# Altium PCB PowerBoard.PcbDoc
Units mm, origin at the board's own origin, x right, y up, seen from the top; angles counter-clockwise.
Board outline 138.43 x 63.5 mm, 2 copper layers (Top Layer, Bottom Layer); 23 components, 36 nets, 121 pads, 14 vias.
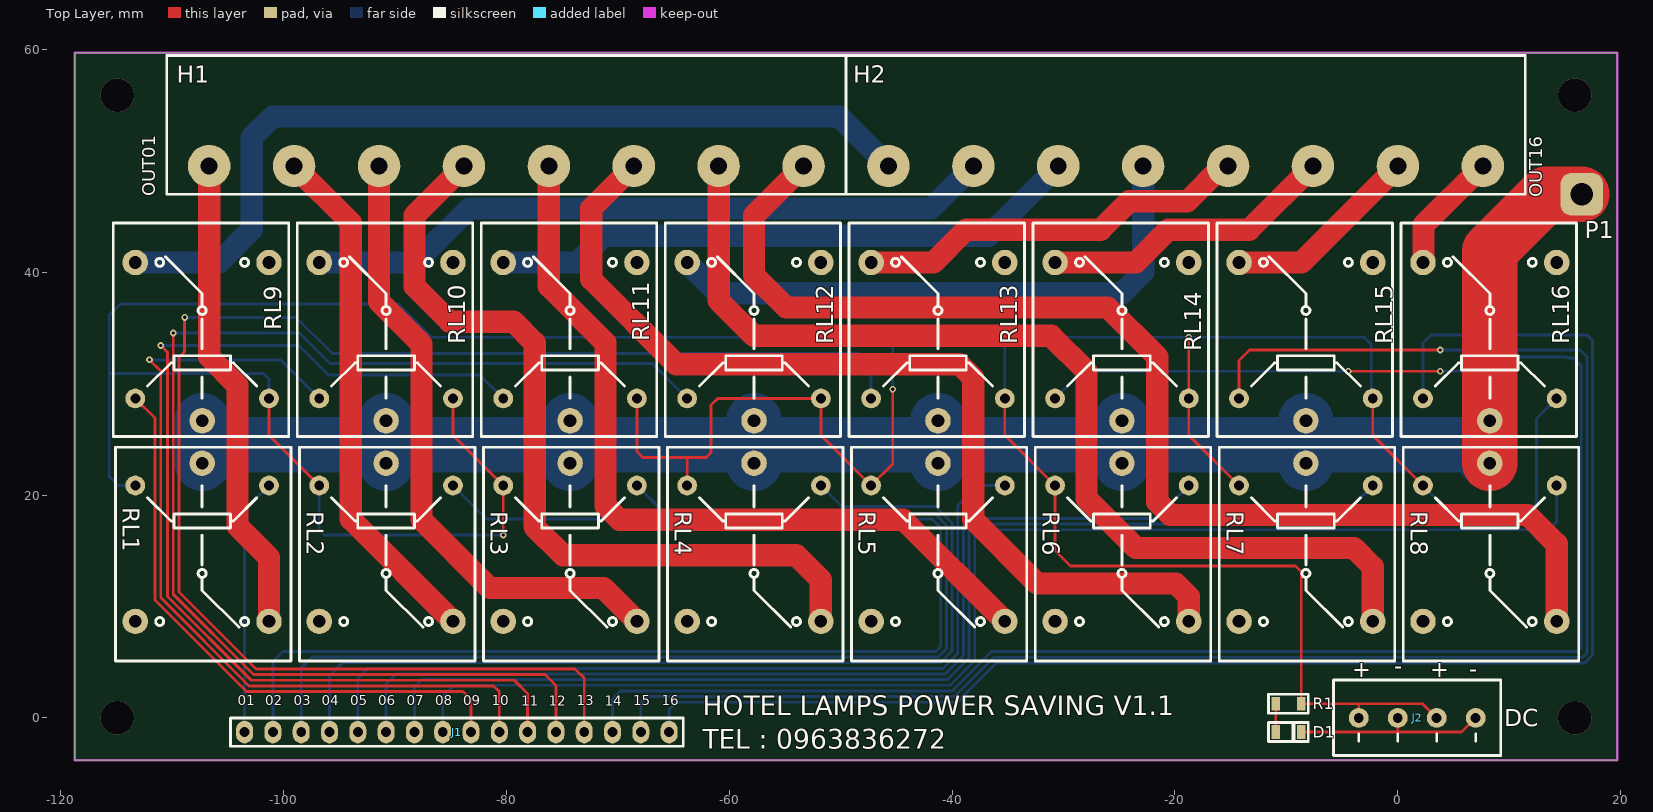
[diagram p0: Top Layer view]
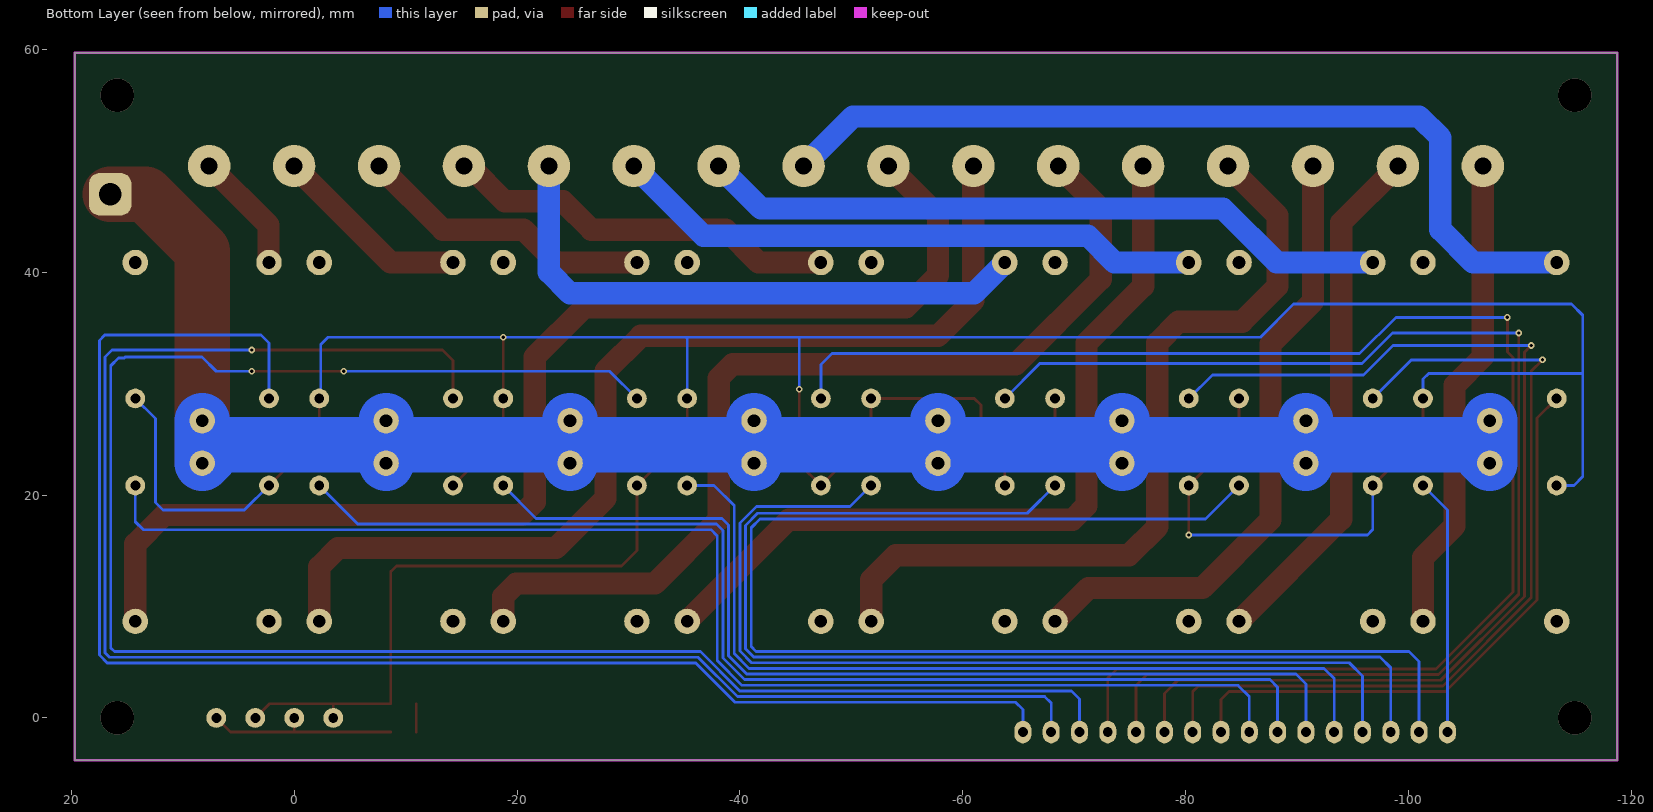
[diagram p1: Bottom Layer view, seen from below]
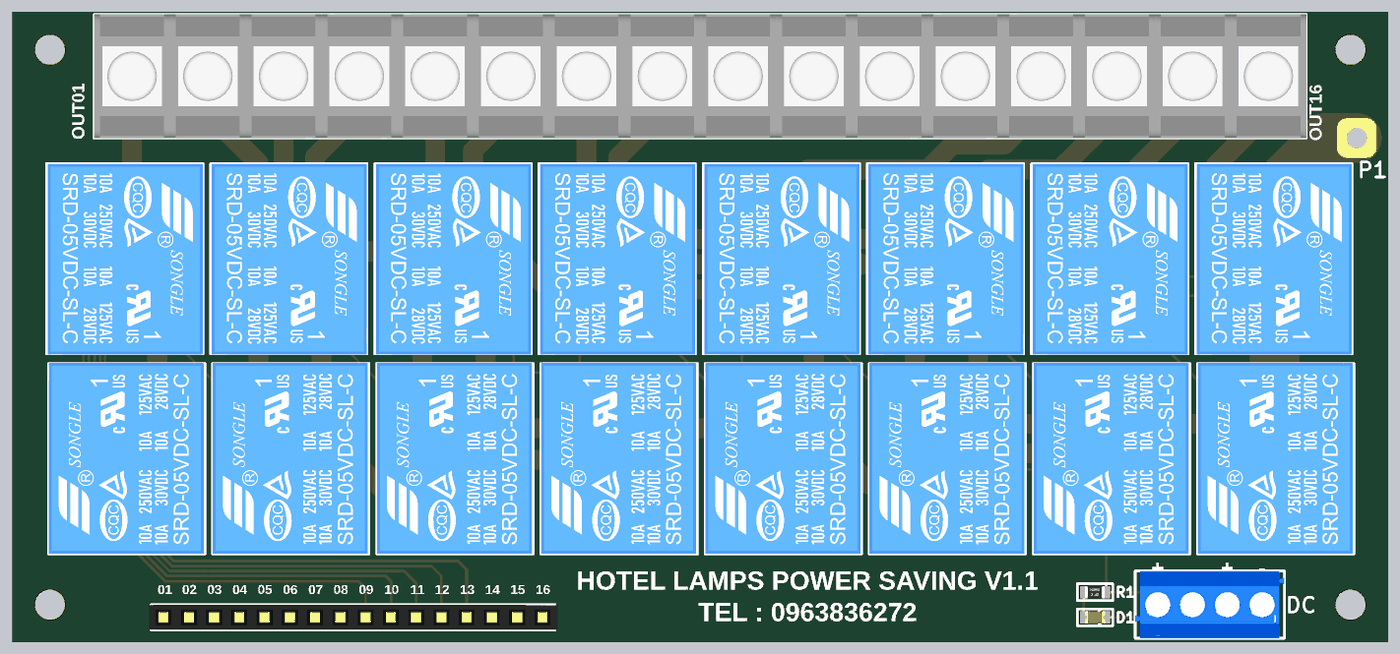
[diagram p2: 3D render of the assembled board from above, using the file's embedded part models]

## Layer stack, top to bottom
Top Solder: solder mask 0.0102, Solder Resist, Dk 3.5
Top Layer: signal copper 0.0356
Dielectric 1: dielectric 0.32, FR-4, Dk 4.8
Bottom Layer: signal copper 0.0356
Bottom Solder: solder mask 0.0102, Solder Resist, Dk 3.5

## Board outline
-118.73,-3.81 -118.73,59.69 19.7,59.69 19.7,-3.81

## Design rules (kind name [scope] priority, off if disabled: settings)
Clearance [All] p1: gap=0.254 ignorepadtopadclearanceinfootprint=FALSE except(0: Arc-Hole Track-Hole SMDPad-Hole THPad-Hole Via-Hole Fill-Hole Poly-Hole Region-Hole Text-Hole)
PolygonConnect [All] p1: connectstyle=Relief reliefconductorwidth=0.254 reliefentries=4 polygonreliefangle="90 Angle" airgapwidth=0.254
RoutingVias [All] p1: holewidth=0.3 width=0.6 viastyle="Through Hole" minholewidth=0.3 minwidth=0.6 maxholewidth=0.3 maxwidth=0.6
SolderMaskExpansion [All] p1: expansion=0.102 istentingtop=FALSE
Width [All] p1: maxlimit=5 minlimit=0.254 preferedwidth=1.27
30 further rules are at their usual default settings.

## Components (designator, comment, footprint, x,y, rotation, side; value= is the part's Value field where it differs from the comment)
D1 "LED0805" L0805RED -9.807,-1.27 r0 top
H1 "TB" "TERMINAL-BLOCK-7.62MM -08PIN" -79.995,49.53 r180 top
H2 "TB" "TERMINAL-BLOCK-7.62MM -08PIN" -19.035,49.53 r180 top
J1 "HEADER-FEMALE-2.54MM" HEADER-FEMALE-16PINS-2.54MM -84.44,-1.27 r0 top
J2 "DC" DG350-3.5-04P-12-00AH 1.75,0 r0 top
P1 "220V" SolderPoint 16.525,46.99 r0 top
R1 "10k" R0805 -9.807,1.27 r180 top
RL1 "Relay-SONGLE-SRD-05VDC" RELAY-SONGLE-SRD-05VDC_BLUE -107.3,15.764 r90 top
RL2 "Relay-SONGLE-SRD-05VDC" RELAY-SONGLE-SRD-05VDC_BLUE -90.79,15.764 r90 top
RL3 "Relay-SONGLE-SRD-05VDC" RELAY-SONGLE-SRD-05VDC_BLUE -74.28,15.764 r90 top
RL4 "Relay-SONGLE-SRD-05VDC" RELAY-SONGLE-SRD-05VDC_BLUE -57.77,15.764 r90 top
RL5 "Relay-SONGLE-SRD-05VDC" RELAY-SONGLE-SRD-05VDC_BLUE -41.26,15.764 r90 top
RL6 "Relay-SONGLE-SRD-05VDC" RELAY-SONGLE-SRD-05VDC_BLUE -24.75,15.764 r90 top
RL7 "Relay-SONGLE-SRD-05VDC" RELAY-SONGLE-SRD-05VDC_BLUE -8.24,15.764 r90 top
RL8 "Relay-SONGLE-SRD-05VDC" RELAY-SONGLE-SRD-05VDC_BLUE 8.27,15.764 r90 top
RL9 "Relay-SONGLE-SRD-05VDC" RELAY-SONGLE-SRD-05VDC_BLUE -107.3,33.766 r270 top
RL10 "Relay-SONGLE-SRD-05VDC" RELAY-SONGLE-SRD-05VDC_BLUE -90.79,33.766 r270 top
RL11 "Relay-SONGLE-SRD-05VDC" RELAY-SONGLE-SRD-05VDC_BLUE -74.28,33.766 r270 top
RL12 "Relay-SONGLE-SRD-05VDC" RELAY-SONGLE-SRD-05VDC_BLUE -57.77,33.766 r270 top
RL13 "Relay-SONGLE-SRD-05VDC" RELAY-SONGLE-SRD-05VDC_BLUE -41.26,33.766 r270 top
RL14 "Relay-SONGLE-SRD-05VDC" RELAY-SONGLE-SRD-05VDC_BLUE -24.75,33.766 r270 top
RL15 "Relay-SONGLE-SRD-05VDC" RELAY-SONGLE-SRD-05VDC_BLUE -8.24,33.766 r270 top
RL16 "Relay-SONGLE-SRD-05VDC" RELAY-SONGLE-SRD-05VDC_BLUE 8.27,33.766 r270 top

## Footprints (in the part's own frame and the unit in brackets; to place one, negate y for a bottom-side part, rotate by r counter-clockwise, add the part's x,y. Pads: shape width x height; smd on the part's side, far side on the other; paste and mask are expansions set on the pad)
DG350-3.5-04P-12-00AH [mil]
  round 70 hole 35: 1(-206.69,0) 2(-68.9,0) 3(68.9,0) 4(206.69,0)
  silkscreen extent -296,-133 295,134, body extent -295,-134 295,134, height 331
HEADER-FEMALE-16PINS-2.54MM [mil]
  oval 60x80 hole 35: 1(-750,0) 2(-650,0) 3(-550,0) 4(-450,0) 5(-350,0) 6(-250,0) 7(-150,0) 8(-50,0) 9(50,0) 10(150,0) 11(250,0) 12(350,0) 13(450,0) 14(550,0) 15(650,0) 16(750,0)
  silkscreen extent -800,-50 800,50, body extent -810,-49 810,49, height 197
L0805RED [mil]
  rect 30x48.82 smd: 1(-45,0) 2(45,0)
  silkscreen extent -70,-35 70,35, body extent -39,-25 39,25, height 43
R0805 [mil]
  rect 30x48.82 smd: 1(-45,0) 2(45,0)
  silkscreen extent -70,-33 70,33, body extent -39,-25 40,25, height 18
RELAY-SONGLE-SRD-05VDC_BLUE [mil]
  round 70 hole 35: 1(200.61,-236.22) 3(200.61,236.22)
  round 90 hole 45: 2(279.35,0) 4(-279.7,236.22) 5(-279.7,-236.22)
  silkscreen extent -419,-314 335,306, body extent -418,-309 338,305, height 626
SolderPoint [mil]
  rrect50% 150x150 hole 80: 1(0,0)
"TERMINAL-BLOCK-7.62MM -08PIN" [mil]
  round 150 hole 60: 1(-1050,0) 2(-750,0) 3(-450,0) 4(-150,0) 5(150,0) 6(450,0) 7(750,0) 8(1050,0)
  silkscreen extent -1200,-390 1200,100, body extent -1200,-391 1200,101, height 409

## Part data
H1 H2: library part TERMINAL-BLOCK-7.62MM-08PIN
J1: library part HEADER-FEMALE-16PINS-2.54MM
J2: library part DGxxx_04P
P1: library part SolderPoint
R1: library part Resistors-SMD

## Via types
v1: diameter 0.6, hole 0.3, Top Layer to Bottom Layer, tented both sides, 10 vias
v2: diameter 3, hole 3, Top Layer to Bottom Layer, 4 vias

## Nets (pads, with @x,y where several pads share a name; then routed paths per layer and width w, separated by ;. In a path a pad name is that pad's centre, name@x,y a point inside that pad or via, vN(x,y) a via of type N, cw(c..) or ccw(c..) an arc to the next point about the centre after c; other vN are vias at no path point)
GND: D1.2 J2.2 J2.4 | length 17.5
  Top Layer w0.254: D1.2 0,-1.27 ; J2.2 0,-1.27 ; J2.4 5.73,-1.27 0,-1.27
IN1: J1.1 RL1.1 | length 23
  Bottom Layer w0.254: J1.1 -103.49,18.67 RL1.1
IN2: J1.2 RL2.1 | length 122.8
  Bottom Layer w0.254: J1.2 -100.95,5.055 -100.036,5.969 -41.452,5.969 -41.006,6.415 -41.006,17.069 -41.793,17.856 -81.786,17.856 RL2.1
IN3: J1.3 RL3.1 | length 104.7
  Bottom Layer w0.254: J1.3 -98.41,4.496 -97.445,5.461 -41.242,5.461 -40.498,6.205 -40.498,17.279 -41.583,18.364 -65.784,18.364 RL3.1
IN4: J1.4 RL4.1 | length 86.5
  Bottom Layer w0.254: J1.4 -95.87,3.759 -94.676,4.953 -41.031,4.953 -39.99,5.994 -39.99,17.49 -41.474,18.974 -49.884,18.974 RL4.1
IN5: J1.5 RL5.1 | length 77.8
  Bottom Layer w0.254: J1.5 -93.33,3.531 -92.416,4.445 -40.821,4.445 -39.482,5.784 -39.482,19.05 -37.672,20.86 RL5.1
IN6: J1.6 RL6.1 | length 90.6
  Bottom Layer w0.254: J1.6 -90.79,3.048 -89.901,3.937 -40.61,3.937 -38.974,5.573 -38.974,17.323 -38.39,17.907 -21.703,17.907 RL6.1
IN7: J1.7 RL7.1 | length 104.2
  Bottom Layer w0.254: J1.7 -88.25,2.743 -87.564,3.429 -40.4,3.429 -38.466,5.363 -38.466,16.815 -37.882,17.399 -5.701,17.399 RL7.1
IN8: J1.8 RL8.1 | length 119.5
  Bottom Layer w0.254: J1.8 -85.71,1.905 -84.694,2.921 -40.189,2.921 -37.958,5.152 -37.958,16.332 -37.399,16.891 13.553,16.891 14.27,17.608 RL8.1
IN9: J1.9 RL9.1 | length 53.8
  Top Layer w0.254: RL9.1 -111.542,26.912 -111.542,10.592 -103.312,2.362 -83.881,2.362 -83.17,1.651 J1.9
IN10: J1.10 RL10.1 | length 75.9
  Top Layer w0.254: v1(-112.024,32.131) -111.008,31.115 -111.008,10.777 -103.102,2.87 -81.138,2.87 -80.63,2.362 J1.10
  Bottom Layer w0.254: v1(-112.024,32.131) -100.251,32.131 RL10.1
IN11: J1.11 RL11.1 | length 94.9
  Top Layer w0.254: v1(-111.008,33.426) -110.399,32.817 -110.399,10.886 -102.891,3.378 -79.284,3.378 -78.09,2.184 J1.11
  Bottom Layer w0.254: v1(-111.008,33.426) -98.613,33.426 -95.972,30.785 -82.395,30.785 RL11.1
IN12: J1.12 RL12.1 | length 113.9
  Top Layer w0.254: v1(-109.891,34.544) -109.891,11.096 -102.681,3.886 -76.541,3.886 -75.55,2.896 J1.12
  Bottom Layer w0.254: v1(-109.891,34.544) -98.562,34.544 -95.819,31.801 -66.901,31.801 RL12.1
IN13: J1.13 RL13.1 | length 135.7
  Top Layer w0.254: v1(-108.875,35.941) -108.875,32.842 -109.383,32.334 -109.383,11.306 -102.471,4.394 -73.823,4.394 -73.01,3.581 J1.13
  Bottom Layer w0.254: v1(-108.875,35.941) -98.867,35.941 -95.616,32.69 -48.245,32.69 -47.26,31.705 RL13.1
IN14: J1.14 RL14.1 | length 166.2
  Top Layer w0.254: v1(-4.43,31.115) v1(3.825,31.115)
  Bottom Layer w0.254: J1.14 -70.47,1.702 -69.759,2.413 -39.979,2.413 -36.448,5.944 16.144,5.944 16.474,6.274 16.474,31.598 15.763,32.309 15.255,32.309 15.179,32.385 8.27,32.385 7,31.115 v1(3.825,31.115) ; RL14.1 -28.305,31.115 v1(-4.43,31.115)
IN15: J1.15 RL15.1 | length 151.2
  Top Layer w0.254: RL15.1 -14.24,32.075 -13.295,33.02 v1(3.825,33.02)
  Bottom Layer w0.254: J1.15 -67.93,1.321 -67.346,1.905 -39.769,1.905 -36.238,5.436 16.576,5.436 16.982,5.842 16.982,32.385 16.347,33.02 v1(3.825,33.02)
IN16: J1.16 RL16.1 | length 135.9
  Bottom Layer w0.254: J1.16 -65.39,0.737 -64.73,1.397 -39.558,1.397 -36.028,4.928 16.786,4.928 17.49,5.632 17.49,33.884 17.008,34.366 2.987,34.366 2.27,33.649 RL16.1
NetD1_1: D1.1 R1.2 | length 2.5
  Top Layer w0.254: D1.1 R1.2
NetP1_1: P1.1 RL1.2 RL2.2 RL3.2 RL4.2 RL5.2 RL6.2 RL7.2 RL8.2 RL9.2 RL10.2 RL11.2 RL12.2 RL13.2 RL14.2 RL15.2 RL16.2 | length 176.8
  Top Layer w5: RL8.2 RL16.2 8.27,41.91 13.35,46.99 P1.1
  Bottom Layer w5: RL9.2 RL1.2 -105.657,24.503 -90.79,24.503 ; RL2.2 -90.79,24.503 ; RL10.2 -90.79,24.503 ; RL3.2 -74.28,24.503 ; RL11.2 -74.28,24.503 ; RL4.2 -57.77,24.503 ; RL12.2 -57.77,24.503 ; RL5.2 -41.26,24.503 ; RL13.2 -41.26,24.503 ; RL6.2 -24.75,24.503 ; RL14.2 -24.75,24.503 ; RL7.2 -8.24,24.503 ; RL15.2 -8.24,24.503 ; RL16.2 RL8.2 6.627,24.503 -8.24,24.503 ; -90.79,24.503 -74.28,24.503 ; -74.28,24.503 -57.77,24.503 ; -57.77,24.503 -41.26,24.503 ; -41.26,24.503 -24.75,24.503 ; -24.75,24.503 -8.24,24.503
OUT1: H1.8 RL1.5 | length 43.1
  Top Layer w2: H1.8 -106.665,32.385 -104.125,29.845 -104.125,17.211 -101.3,14.386 RL1.5
OUT2: H1.7 RL2.5 | length 46.8
  Top Layer w2: H1.7 -93.965,44.45 -93.965,17.835 RL2.5
OUT3: H1.6 RL3.5 | length 56.4
  Top Layer w2: H1.6 -91.425,37.367 -87.615,33.557 -87.615,17.78 -81.494,11.659 -71.279,11.659 RL3.5
OUT4: H1.5 RL4.5 | length 73.4
  Top Layer w2: H1.5 -88.25,45.085 -88.25,38.735 -85.075,35.56 -79.36,35.56 -77.455,33.655 -77.455,17.145 -74.915,14.605 -53.985,14.605 -51.77,12.39 RL4.5
OUT5: H1.4 RL5.5 | length 72.7
  Top Layer w2: H1.4 -76.185,38.735 -71.105,33.655 -71.105,19.05 -69.835,17.78 -44.38,17.78 RL5.5
OUT6: H1.3 RL6.5 | length 86.8
  Top Layer w2: H1.3 -72.375,45.72 -72.375,39.37 -64.755,31.75 -39.355,31.75 -38.085,30.48 -38.085,17.78 -32.37,12.065 -19.922,12.065 -18.75,10.893 RL6.5
OUT7: H1.2 RL7.5 | length 92.3
  Top Layer w2: H1.2 -60.945,37.465 -57.77,34.29 -31.1,34.29 -27.925,31.115 -27.925,19.685 -23.48,15.24 -3.922,15.24 -2.24,13.558 RL7.5
OUT8: H1.1 RL8.5 | length 108.2
  Top Layer w2: H1.1 -57.77,45.085 -57.77,39.719 -54.881,36.83 -26.02,36.83 -21.575,32.385 -21.575,19.383 -20.403,18.212 11.674,18.212 14.27,15.615 RL8.5
OUT9: H2.8 RL9.5 | length 79.7
  Bottom Layer w2: RL9.5 -105.8,40.87 -102.855,43.815 -102.855,52.07 -100.95,53.975 -50.15,53.975 H2.8
OUT10: H2.7 RL10.5 | length 62.3
  Bottom Layer w2: RL10.5 -88.18,40.87 -83.33,45.72 -41.895,45.72 H2.7
OUT11: H2.6 RL11.5 | length 53.4
  Bottom Layer w2: RL11.5 -73.617,40.87 -71.217,43.27 -64.845,43.27 -64.842,43.267 -36.728,43.267 H2.6
OUT12: H2.5 RL12.5 | length 52.4
  Bottom Layer w2: RL12.5 -61,38.1 -24.75,38.1 -22.845,40.005 H2.5
OUT13: H2.4 RL13.5 | length 35.6
  Top Layer w2: RL13.5 -41.665,40.87 -38.72,43.815 -26.655,43.815 -24.115,46.355 -18.89,46.355 -15.715,49.53 H2.4
OUT14: H2.3 RL14.5 | length 26.7
  Top Layer w2: RL14.5 -23.507,40.87 -20.563,43.815 -13.32,43.815 H2.3
OUT15: H2.2 RL15.5 | length 17.8
  Top Layer w2: RL15.5 -8.645,40.87 H2.2
OUT16: H2.1 RL16.5 | length 10.9
  Top Layer w2: RL16.5 2.325,40.925 2.325,44.22 H2.1
VCC: J2.1 J2.3 R1.1 RL1.3 RL2.3 RL3.3 RL4.3 RL5.3 RL6.3 RL7.3 RL8.3 RL9.3 RL10.3 RL11.3 RL12.3 RL13.3 RL14.3 RL15.3 RL16.3 | length 366.6
  Top Layer w0.254: RL9.3 -101.3,25.37 RL2.3 ; RL10.3 -84.79,25.37 RL3.3 -80.277,20.857 -80.277,16.411 v1(-80.274,16.408) ; RL11.3 -68.28,23.896 -67.752,23.368 -63.714,23.368 ; RL4.3 -63.77,23.312 -63.714,23.368 ; v1(-45.324,29.489) -45.324,22.796 RL5.3 -51.77,25.37 RL12.3 -61.028,28.67 -61.631,28.067 -61.631,23.825 -62.088,23.368 -63.714,23.368 ; RL13.3 -35.26,25.37 RL6.3 -30.75,15.017 -29.373,13.64 -9.18,13.64 -8.664,13.124 R1.1 -3.5,1.27 ; v1(-18.75,34.163) RL14.3 -18.75,25.37 RL7.3 ; J2.1 -3.5,1.27 ; RL15.3 -2.24,25.37 RL8.3 ; J2.3 2.23,1.27 -3.5,1.27
  Bottom Layer w0.254: RL1.3 -114.84,20.86 -115.631,21.651 -115.631,30.937 ; RL9.3 -101.3,30.398 -101.814,30.912 -115.606,30.912 -115.631,30.937 ; RL2.3 -96.79,16.891 -96.307,16.408 v1(-80.274,16.408) ; v1(-45.324,29.489) -45.324,34.163 ; RL13.3 -35.26,34.067 -35.164,34.163 ; RL15.3 -2.373,28.803 -2.373,33.503 -3.033,34.163 v1(-18.75,34.163) -35.164,34.163 ; RL8.3 4.486,18.644 11.775,18.644 12.469,19.337 12.469,26.869 RL16.3 ; -115.631,30.937 -115.631,36.134 -114.63,37.135 -89.672,37.135 -86.701,34.163 -45.324,34.163 ; -45.324,34.163 -35.26,34.163 -35.164,34.163
pads on no net: RL1.4 RL2.4 RL3.4 RL4.4 RL5.4 RL6.4 RL7.4 RL8.4 RL9.4 RL10.4 RL11.4 RL12.4 RL13.4 RL14.4 RL15.4 RL16.4
copper on no net:
  other v2: -114.92,0 15.89,0 -114.92,55.88 15.89,55.88

## Keep-outs
Keep-Out Layer:
  the board outline again, w0.254

## Silkscreen, mask and mechanical layers (free items; w line width, h text height)
Top Overlay:
  text "OUT01" at -111.104,46.829 h2 r90
  text "OUT16" at 13.356,46.715 h2 r90
  text "-" at -0.302,3.442 h2.5
  text "+" at -4.06,3.137 h2.5
  text "+" at 2.925,3.137 h2.5
  text "-" at 6.425,3.137 h2.5
  text "01" at -104.098,0.796 h1.5
  text "02" at -101.634,0.796 h1.5
  text "03" at -99.099,0.796 h1.5
  text "04" at -96.572,0.796 h1.5
  text "05" at -94.028,0.796 h1.5
  text "06" at -91.484,0.796 h1.5
  text "07" at -88.938,0.796 h1.5
  text "08" at -86.398,0.796 h1.5
  text "09" at -83.856,0.796 h1.5
  text "10" at -81.29,0.796 h1.5
  text "11" at -78.674,0.787 h1.5
  text "12" at -76.209,0.787 h1.5
  text "13" at -73.674,0.796 h1.5
  text "14" at -71.148,0.787 h1.5
  text "15" at -68.603,0.796 h1.5
  text "16" at -66.06,0.796 h1.5
  text "HOTEL LAMPS POWER SAVING V1.1 / TEL : 0963836272" at -62.391,-3.362 h3